# Altium PCB carrier.PcbDoc (part 3 of 3)
Units mm, origin at the board's own origin, x right, y up, seen from the top; angles counter-clockwise.
Board outline 140 x 87 mm, 4 copper layers (Component Side, Power_layer1, Power_layer2, Solder Side), stack 1.674 mm thick; 380 components, 432 nets, 1873 pads, 238 vias.
Unrouted connection lines stored in the file: 867.
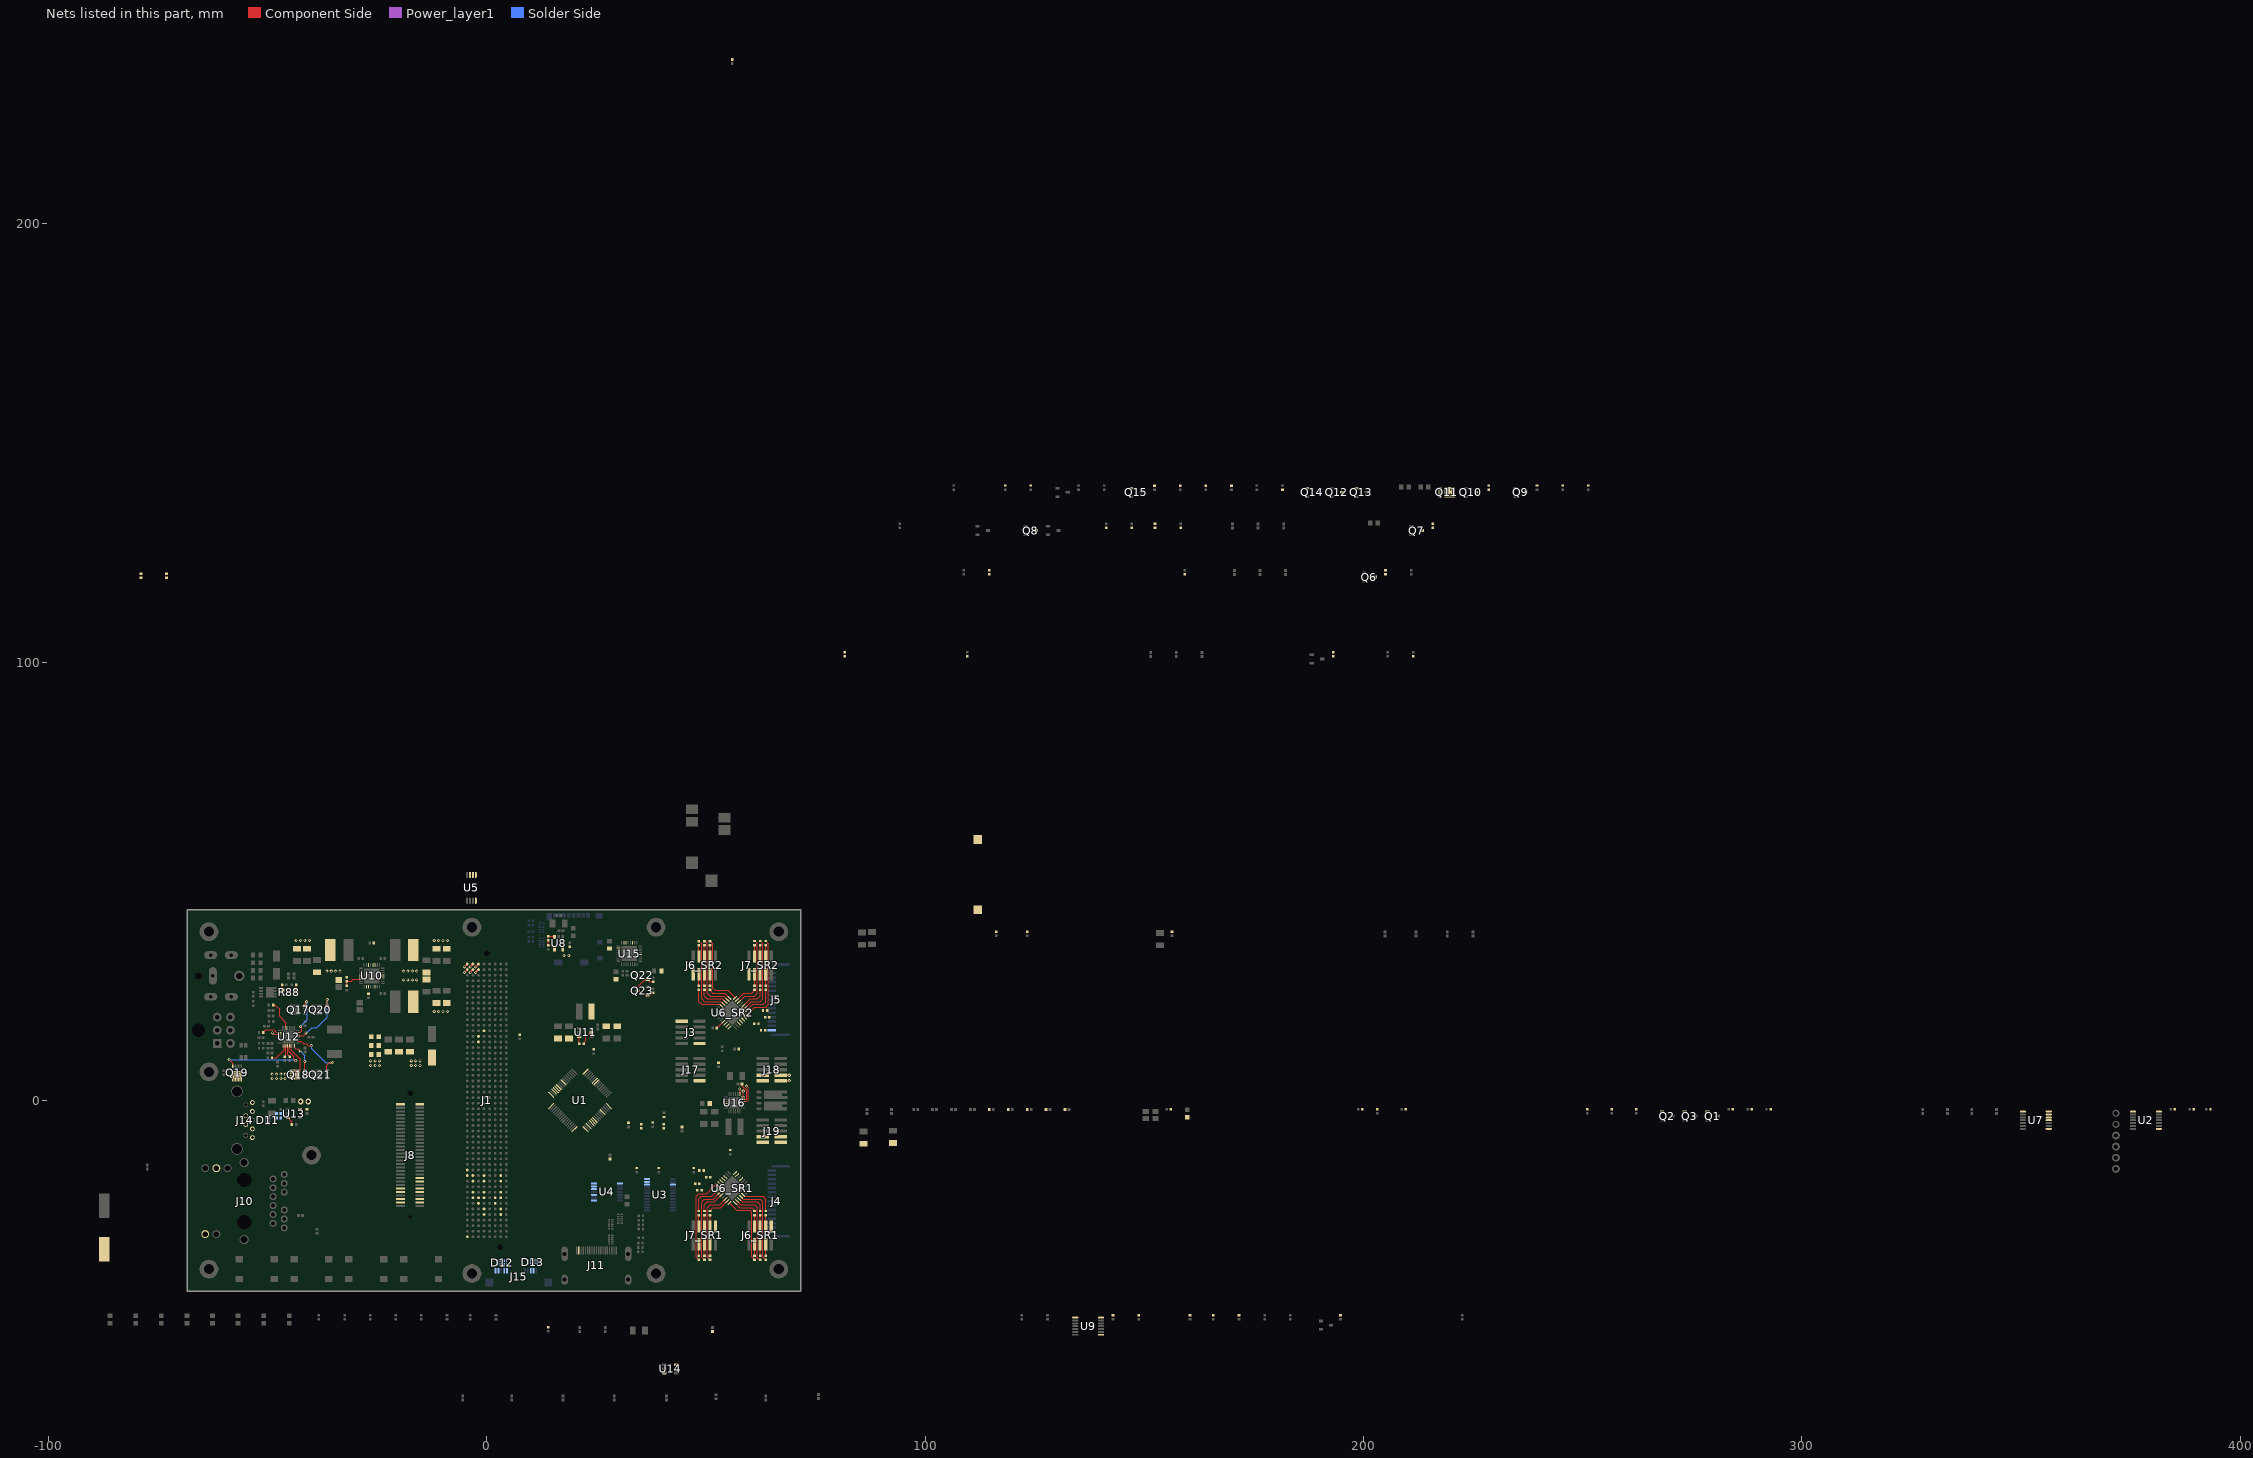
[diagram p5: the nets of this part, all layers, seen from the top]

## Via types
v1: diameter 0.7, hole 0.35, Component Side to Solder Side, 105 vias
v2: diameter 0.5, hole 0.2, Component Side to Solder Side, 86 vias
v3: diameter 0.7, hole 0.35, Component Side to Solder Side, tented top, 45 vias
v4: diameter 1.27, hole 0.711, Component Side to Solder Side, 2 vias

## Nets (pads, with @x,y where several pads share a name; then routed paths per layer and width w, separated by ;. In a path a pad name is that pad's centre, name@x,y a point inside that pad or via, vN(x,y) a via of type N, cw(c..) or ccw(c..) an arc to the next point about the centre after c; other vN are vias at no path point) (continued)
NetQ6_D: Q6.D R59.2
NetQ7_D: Q7.D R65.2
NetQ8_D: Q8.D R69.1
NetQ9_G: Q9.G R4.2 R72.2 U10.3
NetQ10_D: Q10.D Q14.G R5.2 U10.2
NetQ11_G: Q11.G Q12.D R80.1
NetQ13_G: Q13.G Q15.G R8.2 R81.1
NetQ17_G: Q17.G U12.31 | length 9.7
  Component Side w0.203: U12.31@-43.225,15.5 -42.6,15.5 -42.2,15.9 -42.2,16.6 v1(-42.5,16.9) ; Q17.G@-41.485,21.625 -41.485,22.115 v1(-41.1,22.5)
  Solder Side w0.203: v1(-42.5,16.9) -41,18.4 -41,22.5 v1(-41.1,22.5)
NetQ18_G: Q18.G U12.24 | length 6.9
  Component Side w0.203: U12.24@-43.85,12.475 -43.85,12.05 -43.6,11.8 -43.1,11.8 v1(-42.6,11.3) ; v1(-41.5,8.9) -41.5,6.89 Q18.G@-41.485,6.875
  Solder Side w0.203: v1(-42.6,11.3) -41.5,10.2 v1(-41.5,8.9)
NetQ19_G: Q19.G U12.21 | length 21.1
  Component Side w0.203: v1(-58.8,9.3) -57.975,8.475 Q19.G@-57.975,7.765 ; U12.21@-45.05,12.475 -45.05,11.15 -44,10.1 -44,9.5 v1(-43.6,9.1)
  Solder Side w0.203: v1(-58.8,9.3) -43.8,9.3 v1(-43.6,9.1)
NetQ20_G: Q20.G U12.29 | length 14.4
  Component Side w0.203: U12.29@-43.225,14.7 -41.8,14.7 -41.1,15.4 v1(-41.3,15.4) ; Q20.G@-36.485,21.625 -36.4,21.71 v1(-36.4,23)
  Solder Side w0.203: v1(-41.3,15.4) -41.1,15.4 -39.9,16.6 -38.8,16.6 -36.4,19 v1(-36.4,23)
NetQ21_G: Q21.G U12.26 | length 13.1
  Component Side w0.203: U12.26@-43.225,13.5 -42.4,13.5 -41.8,12.9 -41.1,12.9 -40.7,12.5 v1(-40,12.5) ; Q21.G@-36.485,6.875 -36.485,8.015 -35.9,8.6 v1(-35.2,8.6)
  Solder Side w0.203: v1(-40,12.5) -40,11.8 -36.8,8.6 v1(-35.2,8.6)
NetQ22_G: Q22.G Q23.C R104.1 | length 5.4
  Component Side w0.203: Q23.C@34.35,25 34.35,25.85 36.05,27.55 Q22.G@36.7,27.55 37.225,27.025 R104.1@38,27.025
NetQ23_B: Q23.B R105.2 R106.2 | length 1.5
  Component Side w0.203: Q23.B@36.65,24.05 37.525,24.05 R106.2@38,24.525
NetR6_2: R6.2 U1.28
NetR7_2: R7.2 U1.60
NetR11_1: R11.1 U3.22 U4.13
NetR12_1: R12.1 U3.23 U4.12
NetR13_SR1_1: R13_SR1.1 U6_SR1.19 | length 8.3
  Component Side w0.203: U6_SR1.19@58.475,-21.556 58.824,-21.905 62.985,-21.905 63.62,-22.54 R13_SR1.1@63.62,-25.24
NetR13_SR2_1: R13_SR2.1 U6_SR2.19 | length 8.3
  Component Side w0.203: R13_SR2.1@48.38,25.24 48.38,22.54 49.015,21.905 53.176,21.905 U6_SR2.19@53.525,21.556
NetR14_SR1_1: R14_SR1.1 U6_SR1.18 | length 18.9
  Component Side w0.203: U6_SR1.18@58.015,-22.015 58.54,-22.54 62.35,-22.54 62.985,-23.175 62.985,-35.715 R14_SR1.1@63.62,-36.35
NetR14_SR2_1: R14_SR2.1 U6_SR2.18 | length 18.9
  Component Side w0.203: R14_SR2.1@48.38,36.35 49.015,35.715 49.015,23.175 49.65,22.54 53.46,22.54 U6_SR2.18@53.985,22.015
NetR15_SR1_1: R15_SR1.1 U6_SR1.17 | length 6.8
  Component Side w0.203: U6_SR1.17@57.556,-22.475 58.256,-23.175 61.715,-23.175 62.35,-23.81 R15_SR1.1@62.35,-25.24
NetR15_SR2_1: R15_SR2.1 U6_SR2.17 | length 6.8
  Component Side w0.203: R15_SR2.1@49.65,25.24 49.65,23.81 50.285,23.175 53.744,23.175 U6_SR2.17@54.444,22.475
NetR16_SR1_1: R16_SR1.1 U6_SR1.16 | length 17.5
  Component Side w0.203: U6_SR1.16@57.096,-22.934 57.096,-23.001 57.905,-23.81 61.08,-23.81 61.715,-24.445 61.715,-35.875 62.19,-36.35 R16_SR1.1@62.35,-36.35
NetR16_SR2_1: R16_SR2.1 U6_SR2.16 | length 17.5
  Component Side w0.203: R16_SR2.1@49.65,36.35 49.81,36.35 50.285,35.875 50.285,24.445 50.92,23.81 54.095,23.81 54.904,23.001 U6_SR2.16@54.904,22.934
NetR21_2: R21.2 U4.10
NetR23_2: R23.2 R24.1 U8.4 | length 3
  Component Side w0.203: R24.1@14,36.525 R23.2@14,35.375 14.7,35.375 U8.4@15.5,34.575
NetR24_2: R24.2 U8.3 | length 1.6
  Component Side w0.203: R24.2@14,37.475 15.35,37.475 U8.3@15.5,37.325
NetR56_2: R56.2 R57.1 U10.22
NetR60_2: R60.2 R61.1 U10.6
NetR62_2: R62.2 U11.5 | length 3.5
  Component Side w0.203: R62.2@22.075,12.95 22.6,13.475 22.6,14.65 23.2,15.25 23.625,15.25 U11.5@23.875,15.5
NetR66_2: R66.2 R68.1 U10.19
NetR73_1: R73.1 R79.2 U10.30 | length 4.5
  Component Side w0.203: R79.2@-32,26.125 R73.1@-32,27.125 ; R73.1@-32,27.175 -30.975,27.175 -30.5,27.65 U10.30@-28.725,27.65
NetR75_2: R75.2 U10.20
NetR85_2: R85.2 R98.1 U12.6 | length 6.7
  Component Side w0.203: R98.1@-48.775,21.75 -48.25,21.75 -47.3,20.8 -47.3,19.2 -45.85,17.75 U12.6@-45.85,16.525
NetR86_2: R86.2 R99.1 U12.18 | length 4.5
  Component Side w0.203: R99.1@-49.025,9.7 -48,9.7 -46.25,11.45 U12.18@-46.25,12.475
NetR88_S1: R88.S1 R91.2 | length 1.3
  Component Side w0.203: R88.S1@-43.711,25.21 -43.525,25.396 R91.2@-43.525,26.4
NetR88_S2: R88.S2 R90.2 | length 1.3
  Component Side w0.203: R90.2@-46.7,26.4 -46.7,25.421 R88.S2@-46.489,25.21
NetR94_1: R94.1 U12.20 | length 2.7
  Component Side w0.203: U12.20@-45.45,12.475 -45.45,10.425 R94.1@-45,9.975
NetR95_1: R95.1 U12.19 | length 2.6
  Component Side w0.203: R95.1@-46.1,9.975 -45.85,10.225 U12.19@-45.85,12.475
NetR100_2: R100.2 U12.10 | length 4.2
  Component Side w0.203: R100.2@-51.025,15.5 -50.425,16.1 -48.6,16.1 -48,15.5 U12.10@-47.275,15.5
NetR102_2: R102.2 U13.3 | length 1.9
  Component Side w0.203: U13.3@-45.375,-3.95 -44.475,-4.85 R102.2@-44.475,-5.5
NetR103_2: R103.2 U14.3
NetR107_2: R107.2 U15.12
NetR113_SR1_1: R113_SR1.1 U6_SR1.15 | length 5.3
  Component Side w0.203: U6_SR1.15@56.636,-23.394 57.687,-24.445 60.445,-24.445 61.08,-25.08 R113_SR1.1@61.08,-25.24
NetR113_SR2_1: R113_SR2.1 U6_SR2.15 | length 5.3
  Component Side w0.203: R113_SR2.1@50.92,25.24 50.92,25.08 51.555,24.445 54.313,24.445 U6_SR2.15@55.364,23.394
NetR114_SR1_1: R114_SR1.1 U6_SR1.14 | length 17
  Component Side w0.203: U6_SR1.14@55.364,-23.394 57.049,-25.08 59.937,-25.08 60.445,-25.588 60.445,-35.715 R114_SR1.1@61.08,-36.35
NetR114_SR2_1: R114_SR2.1 U6_SR2.14 | length 17
  Component Side w0.203: R114_SR2.1@50.92,36.35 51.555,35.715 51.555,25.588 52.063,25.08 54.951,25.08 U6_SR2.14@56.636,23.394
NetR115_SR1_1: R115_SR1.1 U6_SR1.13 | length 5
  Component Side w0.203: R115_SR1.1@50.92,-25.24 50.92,-25.08 51.555,-24.445 53.393,-24.445 U6_SR1.13@54.904,-22.934
NetR115_SR2_1: R115_SR2.1 U6_SR2.13 | length 5
  Component Side w0.203: U6_SR2.13@57.096,22.934 58.607,24.445 60.445,24.445 61.08,25.08 R115_SR2.1@61.08,25.24
NetR116_SR1_1: R116_SR1.1 U6_SR1.12 | length 17.2
  Component Side w0.203: R116_SR1.1@50.92,-36.4 50.285,-35.765 50.285,-24.445 50.92,-23.81 53.109,-23.81 U6_SR1.12@54.444,-22.475
NetR116_SR2_1: R116_SR2.1 U6_SR2.12 | length 17.2
  Component Side w0.203: U6_SR2.12@57.556,22.475 58.891,23.81 61.08,23.81 61.715,24.445 61.715,35.74 R116_SR2.1@61.08,36.375
NetR117_SR1_1: R117_SR1.1 U6_SR1.10 | length 6.2
  Component Side w0.203: R117_SR1.1@49.65,-25.24 49.65,-23.81 50.285,-23.175 51.906,-23.175 U6_SR1.10@53.525,-21.556
NetR117_SR2_1: R117_SR2.1 U6_SR2.10 | length 6.2
  Component Side w0.203: U6_SR2.10@58.475,21.556 60.094,23.175 61.715,23.175 62.35,23.81 R117_SR2.1@62.35,25.24
NetR118_SR1_1: R118_SR1.1 U6_SR1.9 | length 18.4
  Component Side w0.203: R118_SR1.1@49.65,-36.4 49.015,-35.765 49.015,-23.175 49.65,-22.54 51.622,-22.54 U6_SR1.9@53.066,-21.096
NetR118_SR2_1: R118_SR2.1 U6_SR2.9 | length 18.4
  Component Side w0.203: U6_SR2.9@58.934,21.096 60.378,22.54 62.35,22.54 62.985,23.175 62.985,35.74 R118_SR2.1@62.35,36.375
NetR119_SR1_1: R119_SR1.1 U6_SR1.8 | length 7.8
  Component Side w0.203: R119_SR1.1@48.38,-25.24 48.38,-22.413 48.888,-21.905 51.337,-21.905 U6_SR1.8@52.606,-20.636
NetR119_SR2_1: R119_SR2.1 U6_SR2.8 | length 7.8
  Component Side w0.203: U6_SR2.8@59.394,20.636 60.663,21.905 63.112,21.905 63.62,22.413 R119_SR2.1@63.62,25.24
NetR120_SR1_1: R120_SR1.1 U6_SR1.7 | length 20.6
  Component Side w0.203: R120_SR1.1@48.38,-36.375 47.745,-35.74 47.745,-21.905 48.38,-21.27 50.135,-21.27 52.041,-19.364 U6_SR1.7@52.606,-19.364
NetR120_SR2_1: R120_SR2.1 U6_SR2.7 | length 20.8
  Component Side w0.203: U6_SR2.7@59.394,19.364 59.394,19.584 61.08,21.27 63.62,21.27 64.255,21.905 64.255,35.74 R120_SR2.1@63.62,36.375
NetR121_SR1_1: R121_SR1.1 U6_SR1.6
NetR121_SR2_1: R121_SR2.1 U6_SR2.6
NetR122_SR1_1: R122_SR1.1 U6_SR1.5
NetR122_SR2_1: R122_SR2.1 U6_SR2.5
NetR123_SR1_1: R123_SR1.1 U6_SR1.4
NetR123_SR2_1: R123_SR2.1 U6_SR2.4
NetR124_SR1_1: R124_SR1.1 U6_SR1.3
NetR124_SR2_1: R124_SR2.1 U6_SR2.3
NetSPK1_1: SPK1.1 U15.19 U15.23
NetSPK1_2: SPK1.2 U15.22 U15.26
NetU1_59: U1.59 U16.10 | length 4.9
  Component Side w0.203: U16.10@58.475,-0.25 59.3,-0.25 59.63,0.08 59.63,2.87 v1(59.25,3.25)
  Power_layer1 w0.203: v1(59.25,3.25) 59.35,3.25 v1@59.5,3.1
NetU1_61: U1.61 U16.12 | length 1.4
  Component Side w0.203: U16.12@58.475,0.75 58.5,0.725 v1(58.5,2.1)
NetU1_62: U1.62 U16.13 | length 1.2
  Component Side w0.203: v1(57.6,2.6) 57.75,2.45 U16.13@57.75,1.475
nJRST: J3.10 U1.56
NVM_BATLOW: Q3.G R19.2 U1.22
NVM_BATTOC: U1.41 U7.11
NVM_CHARGE: Q2.G R18.2 U1.23
NVM_RX7: U1.16 U7.13
NVM_SCK: J1.C15 J18.2 J19.2
NVM_SD: J1.C14 J18.4 J19.4 R112.2
NVM_START: Q1.G R17.2 U1.42
NVM_TX7: U1.17 U7.12
NVM_WS: J1.D13 J18.3 J19.3 | length 2
  Component Side w0.203: J18.3@67.032,5.73 v1(69,5.73)
PROCHOT: U1.21 U12.11 | length 1.7
  Component Side w0.203: v1(-48.9,15.4) -48.6,15.1 U12.11@-47.275,15.1
S0_SR1: J6_SR1.3 R13_SR1.2 | length 2.6
  Component Side w0.203: J6_SR1.3@63.62,-28.763 R13_SR1.2@63.62,-26.19
S0_SR2: J6_SR2.3 R13_SR2.2 | length 2.6
  Component Side w0.203: R13_SR2.2@48.38,26.19 J6_SR2.3@48.38,28.763
S1_SR1: J6_SR1.4 R14_SR1.2 | length 2.6
  Component Side w0.203: R14_SR1.2@63.62,-35.4 J6_SR1.4@63.62,-32.827
S1_SR2: J6_SR2.4 R14_SR2.2 | length 2.6
  Component Side w0.203: J6_SR2.4@48.38,32.827 R14_SR2.2@48.38,35.4
S2_SR1: J6_SR1.5 R15_SR1.2 | length 2.6
  Component Side w0.203: J6_SR1.5@62.35,-28.763 R15_SR1.2@62.35,-26.19
S2_SR2: J6_SR2.5 R15_SR2.2 | length 2.6
  Component Side w0.203: R15_SR2.2@49.65,26.19 J6_SR2.5@49.65,28.763
S3_SR1: J6_SR1.6 R16_SR1.2 | length 2.6
  Component Side w0.203: R16_SR1.2@62.35,-35.4 J6_SR1.6@62.35,-32.827
S3_SR2: J6_SR2.6 R16_SR2.2 | length 2.6
  Component Side w0.203: J6_SR2.6@49.65,32.827 R16_SR2.2@49.65,35.4
S4_SR1: J6_SR1.7 R113_SR1.2 | length 2.6
  Component Side w0.203: J6_SR1.7@61.08,-28.763 R113_SR1.2@61.08,-26.19
S4_SR2: J6_SR2.7 R113_SR2.2 | length 2.6
  Component Side w0.203: R113_SR2.2@50.92,26.19 J6_SR2.7@50.92,28.763
S5_SR1: J6_SR1.8 R114_SR1.2 | length 2.6
  Component Side w0.203: R114_SR1.2@61.08,-35.4 J6_SR1.8@61.08,-32.827
S5_SR2: J6_SR2.8 R114_SR2.2 | length 2.6
  Component Side w0.203: J6_SR2.8@50.92,32.827 R114_SR2.2@50.92,35.4
S6_SR1: J7_SR1.3 R115_SR1.2 | length 2.6
  Component Side w0.203: J7_SR1.3@50.92,-28.763 R115_SR1.2@50.92,-26.19
S6_SR2: J7_SR2.3 R115_SR2.2 | length 2.6
  Component Side w0.203: R115_SR2.2@61.08,26.19 J7_SR2.3@61.08,28.763
S7_SR1: J7_SR1.4 R116_SR1.2 | length 2.6
  Component Side w0.203: R116_SR1.2@50.92,-35.45 J7_SR1.4@50.92,-32.827
S7_SR2: J7_SR2.4 R116_SR2.2 | length 2.6
  Component Side w0.203: J7_SR2.4@61.08,32.827 R116_SR2.2@61.08,35.425
S8_SR1: J7_SR1.5 R117_SR1.2 | length 2.6
  Component Side w0.203: J7_SR1.5@49.65,-28.763 R117_SR1.2@49.65,-26.19
S8_SR2: J7_SR2.5 R117_SR2.2 | length 2.6
  Component Side w0.203: R117_SR2.2@62.35,26.19 J7_SR2.5@62.35,28.763
S9_SR1: J7_SR1.6 R118_SR1.2 | length 2.6
  Component Side w0.203: R118_SR1.2@49.65,-35.45 J7_SR1.6@49.65,-32.827
S9_SR2: J7_SR2.6 R118_SR2.2 | length 2.6
  Component Side w0.203: J7_SR2.6@62.35,32.827 R118_SR2.2@62.35,35.425
S10_SR1: J7_SR1.7 R119_SR1.2 | length 2.6
  Component Side w0.203: J7_SR1.7@48.38,-28.763 R119_SR1.2@48.38,-26.19
S10_SR2: J7_SR2.7 R119_SR2.2 | length 2.6
  Component Side w0.203: R119_SR2.2@63.62,26.19 J7_SR2.7@63.62,28.763
S11_SR1: J7_SR1.8 R120_SR1.2 | length 2.6
  Component Side w0.203: R120_SR1.2@48.38,-35.425 J7_SR1.8@48.38,-32.827
S11_SR2: J7_SR2.8 R120_SR2.2 | length 2.6
  Component Side w0.203: J7_SR2.8@63.62,32.827 63.62,35.225 R120_SR2.2@63.62,35.425
S12_SR1: R121_SR1.2
S12_SR2: R121_SR2.2
S13_SR1: R122_SR1.2
S13_SR2: R122_SR2.2
S14_SR1: R123_SR1.2
S14_SR2: R123_SR2.2
S15_SR1: R124_SR1.2
S15_SR2: R124_SR2.2
SATA_RX_N: J1.G45 J8.55
SATA_RX_P: J1.G46 J8.57
SATA_TX_N: J1.D45 J8.49
SATA_TX_P: J1.D46 J8.51
USB0_D_N: D13.1 J1.B40 J15.2
USB0_D_P: D13.2 J1.B39 J15.3
USB0_RX_N: D11.5 J1.G40 J14.5
USB0_RX_P: D11.4 J1.G39 J14.6
USB0_TX_N: C91.2 J1.D40
USB0_TX_P: C90.2 J1.D39
USB0_TXc_N: C91.1 D11.2 J14.8
USB0_TXc_P: C90.1 D11.1 J14.9
USB1_D_N: D13.5 J1.A39 J14.2
USB1_D_P: D13.4 J1.A38 J14.3
USB1_RX_N: D12.4 J1.G43 J15.9
USB1_RX_P: D12.5 J1.G42 J15.10
USB1_TX_N: C97.2 J1.D43
USB1_TX_P: C96.2 J1.D42
USB1_TXc_N: C97.1 D12.1 J15.6
USB1_TXc_P: C96.1 D12.2 J15.7
USBM2_D_N: J1.B43 J8.56
USBM2_D_P: J1.B42 J8.58
USBM2_RX_N: J1.F44 J8.44
USBM2_RX_P: J1.F43 J8.46
USBM2_TX_N: J1.C44 J8.50
USBM2_TX_P: J1.C43 J8.52
VDD_1V8_SYS: C13.1 C62.2 C63.2 FB20.1 J18.1 J19.1 L4.2 R28.2 R65.1 R66.1 R108.2 R109.2 U2.1 U2.8 U4.1 U4.8 U5.1 U5.2 U5.3 U5.8 U7.1 U7.8 | length 2
  Component Side w0.203: J18.1@67.032,4.46 67.072,4.5 v1(69,4.5)
  other v1: -12,36.5 -11,36.5 -10,36.5 -9,36.5
VDD_3V3_MCU: C1.1 C3.1 C4.1 C5.1 C6.1 C14_SR1.2 C14_SR2.2 C54.2 C55.2 C56.2 C57.1 C110.2 FB5.1 FB25.2 J3.1 J6_SR1.1 J6_SR2.1 J7_SR1.1 J7_SR2.1 J17.1 L3.2 R9.2 R10.2 R63.2 R76.2 U1.19 U1.32 U1.48 U1.64 U6_SR1.25 U6_SR1.27 U6_SR1.28 U6_SR2.25 U6_SR2.26 U6_SR2.27 U6_SR2.28 U16.11 U16.22 | length 6.8
  Component Side w0.203: C14_SR2.2@52.46,16.5 52.5,16.5 U6_SR2.25@53.985,17.985 ; C110.2@58.3,3.75 58.3,3.282 59.16,2.421 59.179,2.421 59.3,2.3 59.3,0.4 59.15,0.25 U16.11@58.475,0.25
VDD_3V3_STBY: C18.2 C66.2 C67.2 C68.2 C69.2 C107.1 C108.1 J4.15 J5.15 J8.1 Q11.D R11.2 R12.2 R20.1 R22.2 R69.2 R128.2 R129.2 R130.2 U3.3 U3.24
  other v2: 218.903,138.286 219.903,138.286 218.903,139.286 219.903,139.286
VDD_3V3_SYS: C19.1 C48.2 C49.2 FB21.1 J10.14 J10.16 L2.2 Q11.S R1.2 R2.2 R3.2 R31.2 R32.2 R33.2 R59.1 R60.1 R80.2 U2.14 U4.14 U7.14 U8.5 U9.1 U9.8
  other v1: -12,20.3 -11,20.3 -10,20.3 -9,20.3 17.6,33.1 18.7,33.1
VDD_5V0_SYS: C37.2 C38.2 C86.1 C92.1 FB22.1 J8.2 J11.18 L1.2 R34.2 R35.2 R55.1 R56.1 U9.14 U13.5 U14.5
  other v1: -43.5,36.5 -42.5,36.5 -41.5,36.5 -40.5,36.5
  other v4: -42.5,-0.25 -40.75,-0.25
VDD_RTC: C39.1 J1.A50 U1.1
VIN_NVM: C40.2 C41.2 C42.2 C113.1 FB11.2 FB12.2 FB13.2 J1.A1 J1.A2 J1.B1 J1.B2 J1.C1 J1.C2 | length 5.4
  Component Side w0.33: v1(-5.08,29.21) J1.A2@-4.445,29.845 ; v1(-5.08,30.48) J1.A1@-4.445,31.115 ; v1(-3.81,29.21) J1.B2@-3.175,29.845 ; v1(-3.81,30.48) J1.B1@-3.175,31.115 ; v1(-2.54,29.21) J1.C2@-1.905,29.845 ; v1(-2.54,30.48) J1.C1@-1.905,31.115
  other v1: -17.25,8 -16.25,8 -15.25,8 -17.25,9 -16.25,9 -15.25,9
VIN_PSU: C33.2 C44.2 C52.2 C53.2 C58.2 C65.2 FB11.1 FB12.1 FB13.1 Q18.D Q19.D R62.1 R70.1 R71.1 R73.2 R77.2 R78.2 U10.12 U10.13 U10.28 U10.29 U11.3 U12.22 | length 9.4
  Component Side w0.203: U12.22@-44.65,12.475 -44.65,11.45 -42.6,9.4 -42.6,6.725 v2(-42.925,6.4) Q18.D@-43.425,5.9 ; R62.1@21.125,12.95 U11.3@21.125,14.55
  other v1: -49,5 -48,5 -47,5 -46,5 -49,6 -48,6 -47,6 -46,6 -26.5,8 -25.5,8 -24.5,8 -26.5,9 -25.5,9 -24.5,9 -19,27.5 -18,27.5 -17,27.5 -16,27.5 -36.5,29.5 -35.5,29.5 -34.5,29.5 -33.5,29.5 -19,29.5 -18,29.5 -17,29.5 -16,29.5
  other v2: -57.5,5.325 -56.5,5.325 -43.925,5.4 -42.925,5.4 -57.5,6.325 -56.5,6.325 -43.925,6.4
pads on no net: D5.A1 D14.5 J1.A5 J1.A8 J1.A9 J1.A10 J1.A11 J1.A12 J1.A13 J1.A14 J1.A15 J1.A16 J1.A19 J1.A22 J1.A23 J1.A24 J1.A25 J1.A26 J1.A27 J1.A29 J1.A30 J1.A31 J1.A32 J1.A41 J1.A42 J1.A44 J1.A45 J1.B5 J1.B9 J1.B10 J1.B11 J1.B12 J1.B13 J1.B18 J1.B19 J1.B20 J1.B21 J1.B22 J1.B23 J1.B24 J1.B25 J1.B26 J1.B27 J1.B28 J1.B29 J1.B30 J1.B32 J1.B45 J1.B46 J1.B48 J1.B49 J1.C5 J1.C9 J1.C10 J1.C11 J1.C12 J1.C13 J1.C17 J1.C18 J1.C19 J1.C20 J1.C31 J1.C32 J1.C34 J1.C35 J1.C40 J1.C41 J1.C46 J1.C47 J1.C48 J1.C49 J1.C50 J1.D1 J1.D2 J1.D3 J1.D4 J1.D7 J1.D11 J1.D12 J1.D16 J1.D17 J1.D18 J1.D19 J1.D30 J1.D31 J1.D33 J1.D34 J1.D48 J1.D49 J1.D50 J1.E3 J1.E4 J1.E5 J1.E6 J1.E7 J1.E8 J1.E9 J1.E10 J1.E11 J1.E12 J1.E13 J1.E14 J1.E16 J1.E17 J1.E18 J1.E29 J1.E30 J1.E32 J1.E33 J1.E41 J1.E42 J1.E44 J1.E45 J1.E50 J1.F3 J1.F4 J1.F5 J1.F6 J1.F11 J1.F12 J1.F13 J1.F14 J1.F16 J1.F31 J1.F32 J1.F34 J1.F35 J1.G4 J1.G5 J1.G6 J1.G9 J1.G10 J1.G11 J1.G13 J1.G14 J1.G15 J1.G16 J1.G30 J1.G31 J1.G33 J1.G34 J1.H3 J1.H4 J1.H5 J1.H6 J1.H11 J1.H13 J1.H14 J1.H15 J1.H29 J1.H30 J1.H32 J1.H33 J1.H50 J1.MH1 J1.MH2 J4.16 J5.16 J8.PEG J10.18 J11.14 J12.7 J13.18 J16.5 J16.6 J16.7 J16.8 U1.8 U1.9 U1.10 U1.11 U1.14 U1.15 U1.24 U1.25 U1.26 U1.27 U1.33 U1.34 U1.35 U1.36 U1.37 U1.38 U1.44 U1.45 U1.54 U1.57 U1.58 U2.6 U2.9 U3.4 U3.5 U3.6 U3.7 U3.8 U3.9 U3.10 U3.11 U3.13 U3.14 U3.15 U3.16 U4.6 U4.9 U6_SR1.29 U6_SR2.29 U7.5 U7.6 U7.9 U7.10 U9.4 U9.6 U9.9 U9.11 U12.15 U15.13 U15.15 U15.32 U16.1 U16.8 U16.19 U16.24
copper on no net:
  other v2: 56,-22.333 55.222,-21.556 56.778,-21.556 54.444,-20.778 56,-20.778 57.556,-20.778 53.667,-20 55.222,-20 56.778,-20 58.333,-20 54.444,-19.222 56,-19.222 57.556,-19.222 55.222,-18.444 56.778,-18.444 56,-17.667 56,17.667 55.222,18.444 56.778,18.444 54.444,19.222 56,19.222 57.556,19.222 53.667,20 55.222,20 56.778,20 58.333,20 54.444,20.778 56,20.778 57.556,20.778 55.222,21.556 56.778,21.556 56,22.333

## Polygon pours and split planes (outlines as drawn)
AUDIO_GND on Component Side "GROUND_PSU" (solid, pour order 7): -68.4,43.5 -68.4,4 -30.5,4 -20.5,14 -7,14 -7,43.5
VIN_PSU on Power_layer2 "INPUT_PSU" (solid, pour order 5): -27,5 -27,9.5 -24,9.5 -24,5 -24,1.25 -55,1.25 -55,31 -15,31 -15,26 -45,26 -45,8 -45,5
VIN_NVM on Power_layer1 "NVM_POWER" (solid, pour order 0): -17.75,7.5 -17.75,9.75 -8.75,9.75 -8.75,31 -2,31 -2,28.75 -5.75,28.75 -5.75,7.5
AUDIO_GND on Power_layer1 "Internal_ground" (solid, shelved, pour order 3): -68.4,-43.5 71.6,-43.5 71.6,43.5 -68.4,43.5

## Other copper
Component Side:
  rectangle net DC_INrp: -47.5,24.4 -47,24.4
  region net DC_IN: -52.75,33.9 -52.75,26.9 -58,26.9 -58,31.4 -55.75,31.4 -55.75,33.9
  region net VDD_5V0_SYS: -34.4,31.6 -37,31.6 -37,33.9 -44.4,33.9 -44.4,37.2 -34.4,37.2
  region net DC_INrp: -47,27.15 -47.25,27.15 -47.25,24.7 -45.9,24.7 -45.9,23.4 -50.5,23.4 -50.5,25.9 -49.75,25.9 -49.75,30.4 -47,30.4
  region net DC_INfb: -52.25,24.1 -52.25,33.9 -50,33.9 -50,26.15 -50.75,26.15 -50.75,24.1
  region net BQL: -42.5,23.2 -37.5,23.2 -37.5,24.7 -38.05,24.7 -42.5,24.7 -44.3,24.7 -44.3,22.15 -45.25,22.15 -45.25,19.4 -42.5,19.4
  region net BQSR: -32.75,11.65 -39.75,11.65 -40.5,11.65 -40.5,6.5 -42,6.5 -42,4.5 -37.5,4.5 -37.5,7.9 -36,9.4 -32.75,9.4
  region net BQSL: -40.5,22.5 -40.5,21.2 -42,21.2 -42,19.15 -40.5,19.15 -40.5,15.15 -32.75,15.15 -32.75,17.4 -36,17.4 -37.5,18.9 -37.5,22.5
  region net AUDIO_GND: -37,4.5 -33.5,4.5 -33.5,7.75 -35.75,7.75 -35.75,6.5 -37,6.5
  region net BAT_CON: -60,20.5 -60,14.5 -57,14.5 -57,12 -55.5,12 -55.5,13.3 -54.5,13.3 -54.5,20.5
  region net VIN_PSU: -45.1,6.8 -45.1,7.2 -42.5,7.2 -42.5,4 -58.5,4 -58.5,6.8
  region net NetC32_1: -28.3,29.5 -28.3,29.8 -29.2,29.8 -29.5,30.1 -29.5,37 -33,37 -33,30.5 -32,29.5
  region net NetC51_1: -24.2,29.5 -24.2,29.8 -23.3,29.8 -23,30.1 -23,37 -19.5,37 -19.5,30.5 -20.5,29.5
  region net NetC43_1: -24.2,27.3 -24.2,27 -23.3,27 -23,26.7 -23,19.8 -19.5,19.8 -19.5,26.3 -20.5,27.3
  region net VIN_PSU: -24.2,28.8 -24.2,28 -23,28 -22.5,27.5 -20.3,27.5 -19.3,26.5 -12.7,26.5 -12.7,30.3 -19.3,30.3 -20.3,29.3 -22.5,29.3 -23,28.8
  region net VIN_PSU: -28.3,28.5 -28.3,28.8 -29.5,28.8 -30,29.3 -32.2,29.3 -33.3,30.4 -39.8,30.4 -39.8,28.5
  region net BAT_CONc: -56.5,10.4 -57.6,10.4 -57.6,7.2 -55.5,7.2 -55.5,10.4
  region net VDD_1V8_SYS: -18.1,31.6 -15.5,31.6 -15.5,33.9 -8.1,33.9 -8.1,37.2 -18.1,37.2
  region net VDD_3V3_SYS: -18.1,25.2 -15.5,25.2 -15.5,22.9 -8.1,22.9 -8.1,19.6 -18.1,19.6
  region net AUDIO_GND: -37,19.25 -33.5,19.25 -33.5,22.5 -35.75,22.5 -35.75,21.25 -37,21.25
  region net NetL6_1: 57.1,-2 57.9,-2 57.9,-3.6 58.3,-4 58.7,-4 58.7,-8 57.1,-8
  region net NetL6_2: 56.4,-2 55.6,-2 55.6,-3.6 55.2,-4 54.3,-4 54.3,-8 56.4,-8
  region net NetC50_1: 21.8,15.85 22,16.05 22,18.35 20.4,18.35 20.4,22.15 22.9,22.15 22.9,15.65 22.4,15.15 20.6,15.15 20.6,15.85
  region net VDD_3V3_MCU: 24.6,22.15 24.6,19.743 30.7,19.766 30.7,16.15 26.3,16.15 26.3,17.95 23.1,17.95 23.1,22.15
  region net VIN_PSU: 21.7,14.85 21.7,14.25 20.1,14.25 20.1,13.45 15.3,13.45 15.3,14.85
  region net NetC20_2: 17.7,38.1 17.7,39.1 17,39.1 17,36.7 20.3,36.7 20.3,38.1
  region net NetC21_2: 20.3,38.7 18,38.7 18,39.3 17.1,39.3 17.1,42.5 18.9,42.5 18.9,41.5 20.3,41.5
  region net VDD_3V3_SYS: 19.3,35.4 19.3,32.5 17,32.5 17,35.1 18.5,35.1 18.5,35.4
  region net VIN_PSU: -25.75,15.25 -25.75,9.5 -24,9.5 -24,7.5 -27,7.5 -27,15.25
  region net VIN_NVM: -25.25,15.25 -24,15.25 -24,12 -9.5,12 -9.5,7.5 -21.25,7.5 -21.25,9.75 -25.25,9.75
  region net NetC87_2: -46,-2.5 -46,-1.75 -44.75,-1.75 -44.75,0.75 -43.5,0.75 -43.5,-2.5
  region net NetC88_2: -45.25,-0.75 -51.5,-0.75 -51.5,0.75 -45.25,0.75
  region net VDD_5V0_SYS: -43.25,-2.5 -43.25,0.5 -40,0.5 -40,-2.5
  region net NetJ18_7: 65.6,8.7 65.6,7.8 69.7,7.8 69.7,2.3 63.2,2.3 63.2,0.2 70.5,0.2 70.5,8.7
  region net NetJ19_7: 65.6,-6.2 65.6,-5.3 69.7,-5.3 69.7,-2.3 63.2,-2.3 63.2,-0.2 70.5,-0.2 70.5,-6.2
  region net NetC109_2: 59.9,3.6 59.5,4 59.5,4.7 57.6,4.7 57.6,6.5 60,6.5 60,4.1 60.4,3.7 60.4,2.2 62.7,2.2 62.7,1.6 60.5,1.6 60.5,-0.3 62.7,-0.3 62.7,-1 61.3,-1 61.1,-1.2 59.8,-1.2 59.8,-1.9 58,-1.9 58,-1.6 59.2,-1.6 59.2,-0.9 58,-0.9 58,-0.6 59.9,-0.6

## Silkscreen, mask and mechanical layers (free items; w line width, h text height)
Top Overlay:
  lines w0.254: 43.65,-32.795 43.65,-29.795 43.65,-28.795 55.65,-28.795 55.65,-32.795 43.65,-32.795 ; 43.65,28.795 43.65,32.795 55.65,32.795 55.65,29.795 55.65,28.795 43.65,28.795 ; 56.35,-32.795 56.35,-29.795 56.35,-28.795 68.35,-28.795 68.35,-32.795 56.35,-32.795 ; 56.35,28.795 56.35,32.795 68.35,32.795 68.35,29.795 68.35,28.795 56.35,28.795
  text "JTAG" at 45,20 h0.76

## Text inside footprints (layer, text, board x,y; h text height)
J3: Mechanical 1 "J1" at 46.75,15.25 h0.64 r90
J6_SR1: Mechanical 1 "J1" at 62.785,-30.351 h0.64 r180
J6_SR2: Mechanical 1 "J1" at 49.215,30.351 h0.64
J7_SR1: Mechanical 1 "J1" at 50.085,-30.351 h0.64 r180
J7_SR2: Mechanical 1 "J1" at 61.915,30.351 h0.64
J9: Bottom Overlay "uSD" at 17.9,37.3 h0.76 r180
J10: Top Overlay "Hello?" at -62.472,-18.918 h0.76 r270
J12: Top Overlay "1" at -62.516,10.92 h0.76 r270
J15: Bottom Overlay "SS" at 4.5,-42.2 h0.76
J17: Mechanical 1 "J1" at 46.944,6.565 h0.64 r90
J18: Mechanical 1 "J1" at 65.444,6.565 h0.64 r90
J19: Mechanical 1 "J1" at 65.444,-7.435 h0.64 r90
SPK1: Top Overlay "TAPE / HERE" at 115.5,54.5 h0.76 r270